# Altium PCB PCB_ESP_R8_POE_3C v2_2023-10-08.pcbdoc (part 1 of 3)
Units mm, origin at the board's own origin, x right, y up, seen from the top; angles counter-clockwise.
Board outline 188.8 x 138.86 mm, 2 copper layers (Top Layer, Bottom Layer); 275 components, 213 nets, 829 pads, 1172 vias.
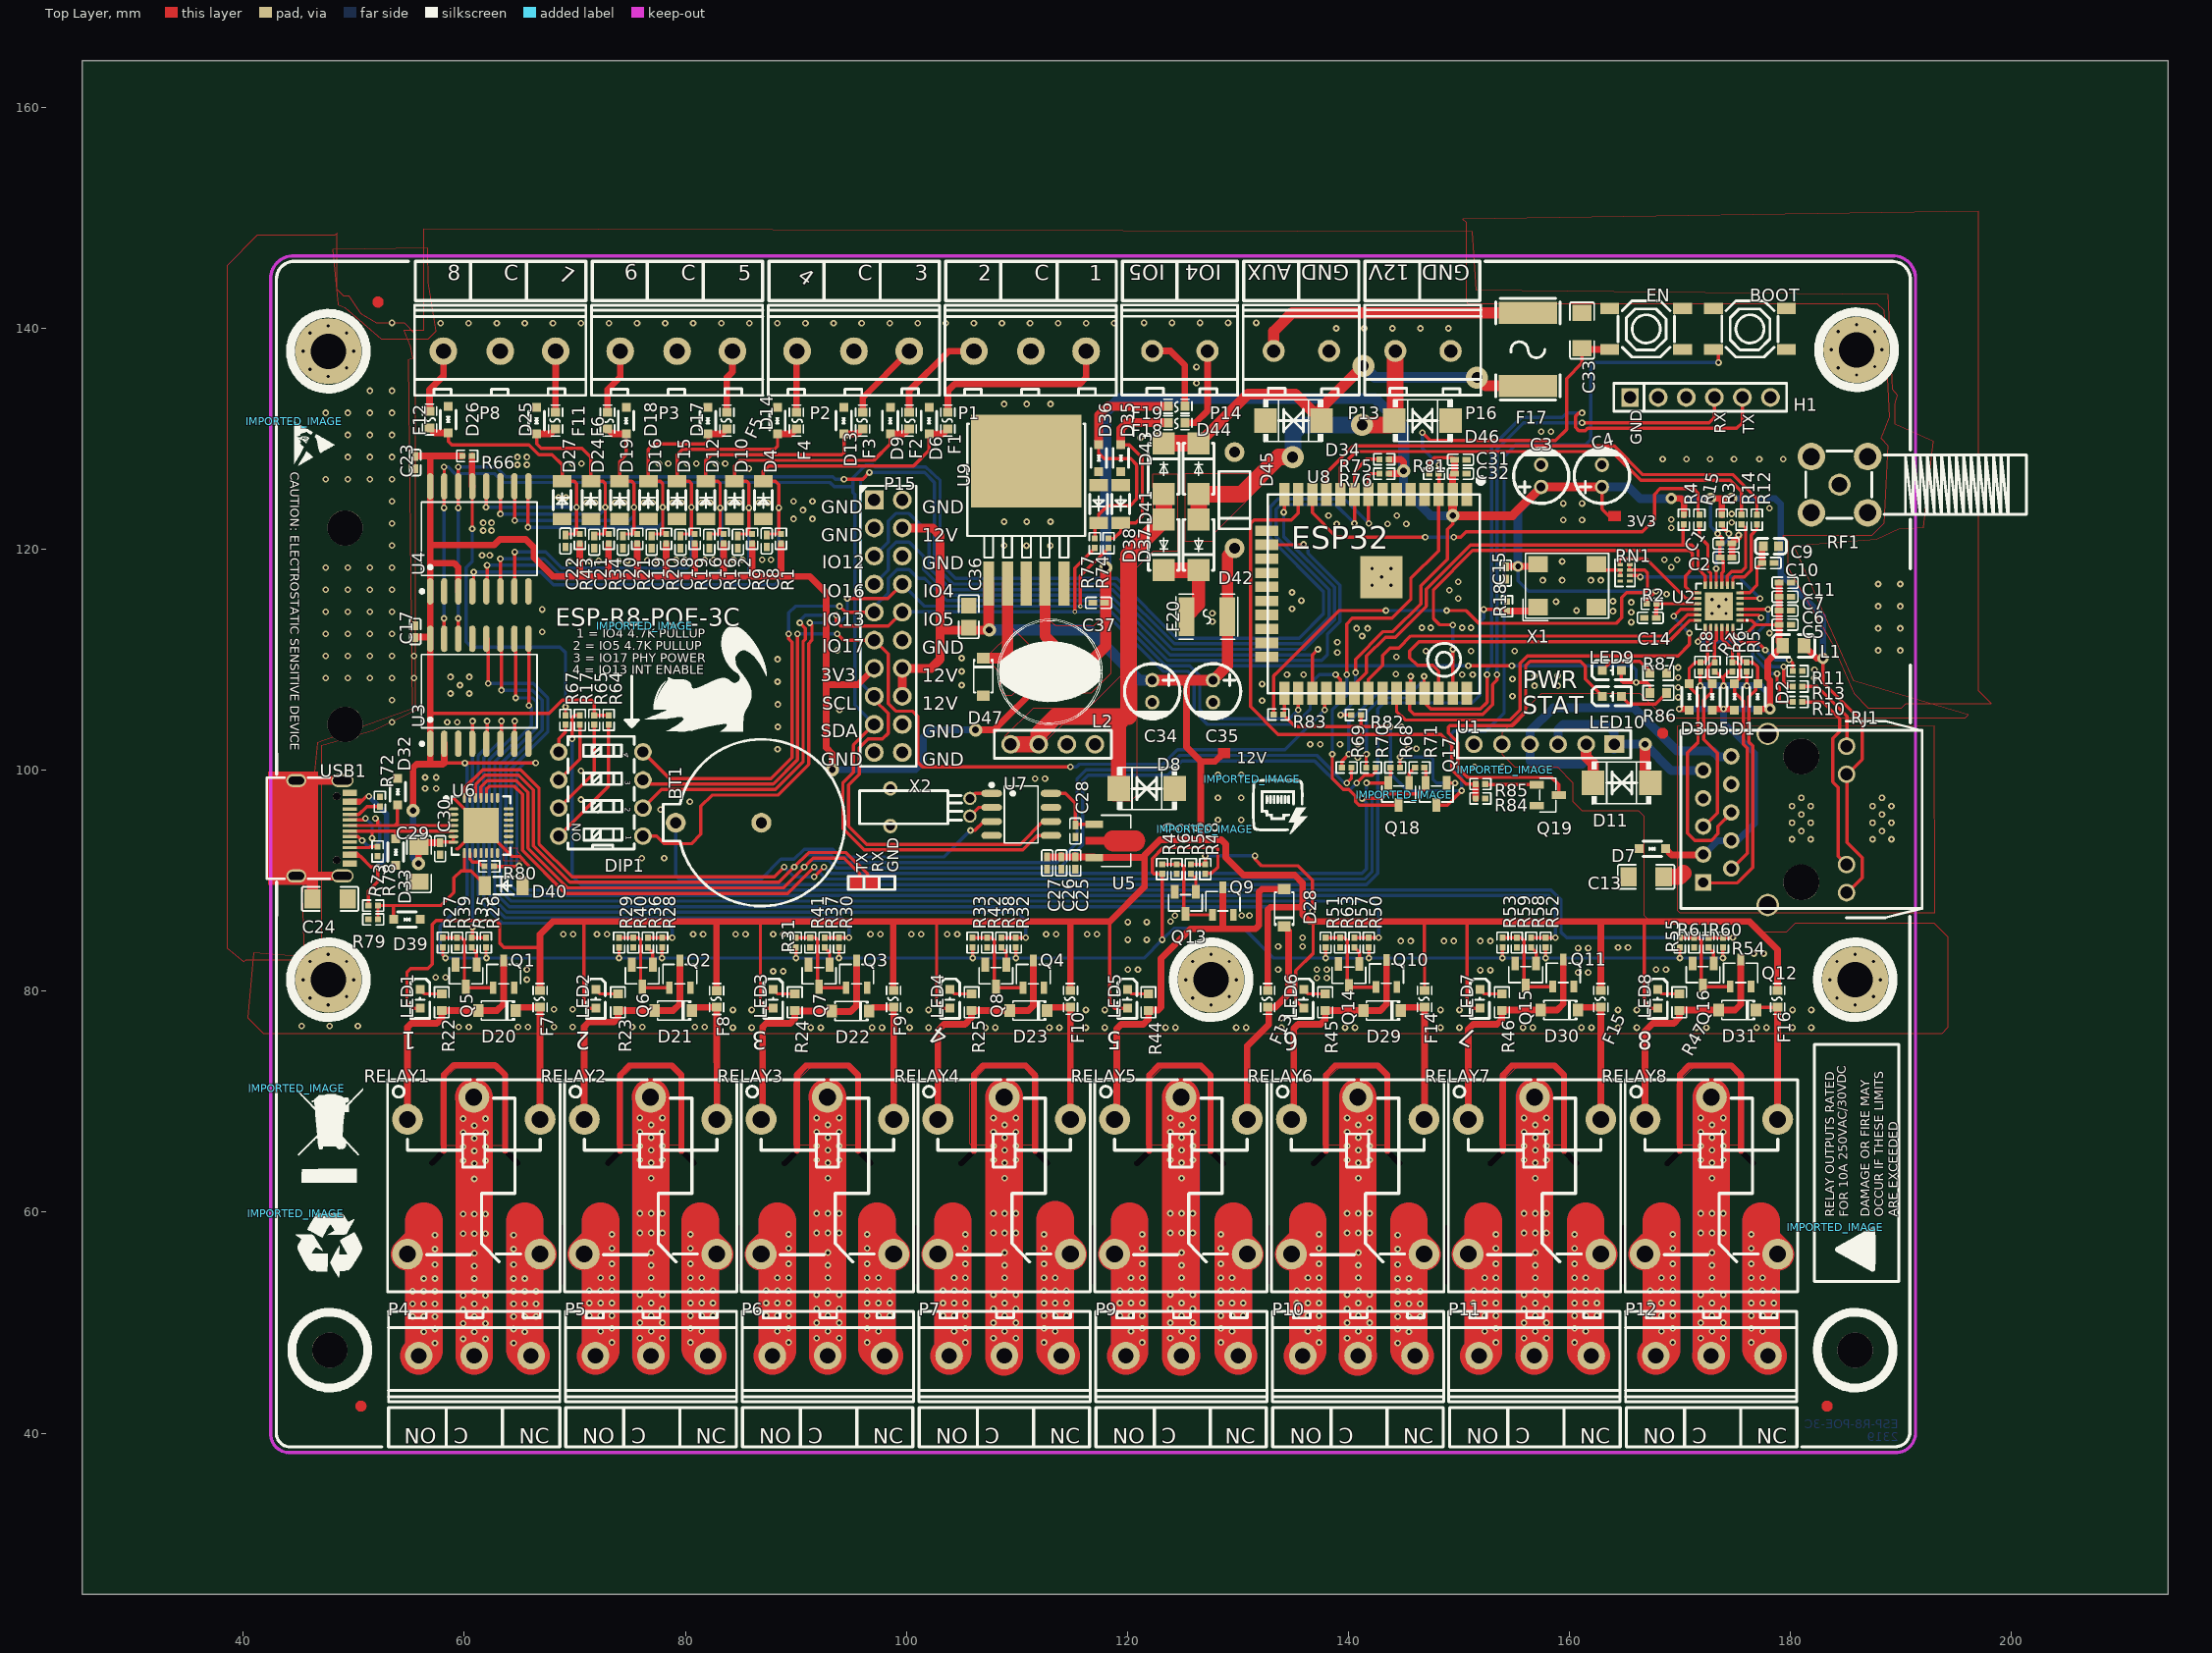
[diagram p0: Top Layer view]
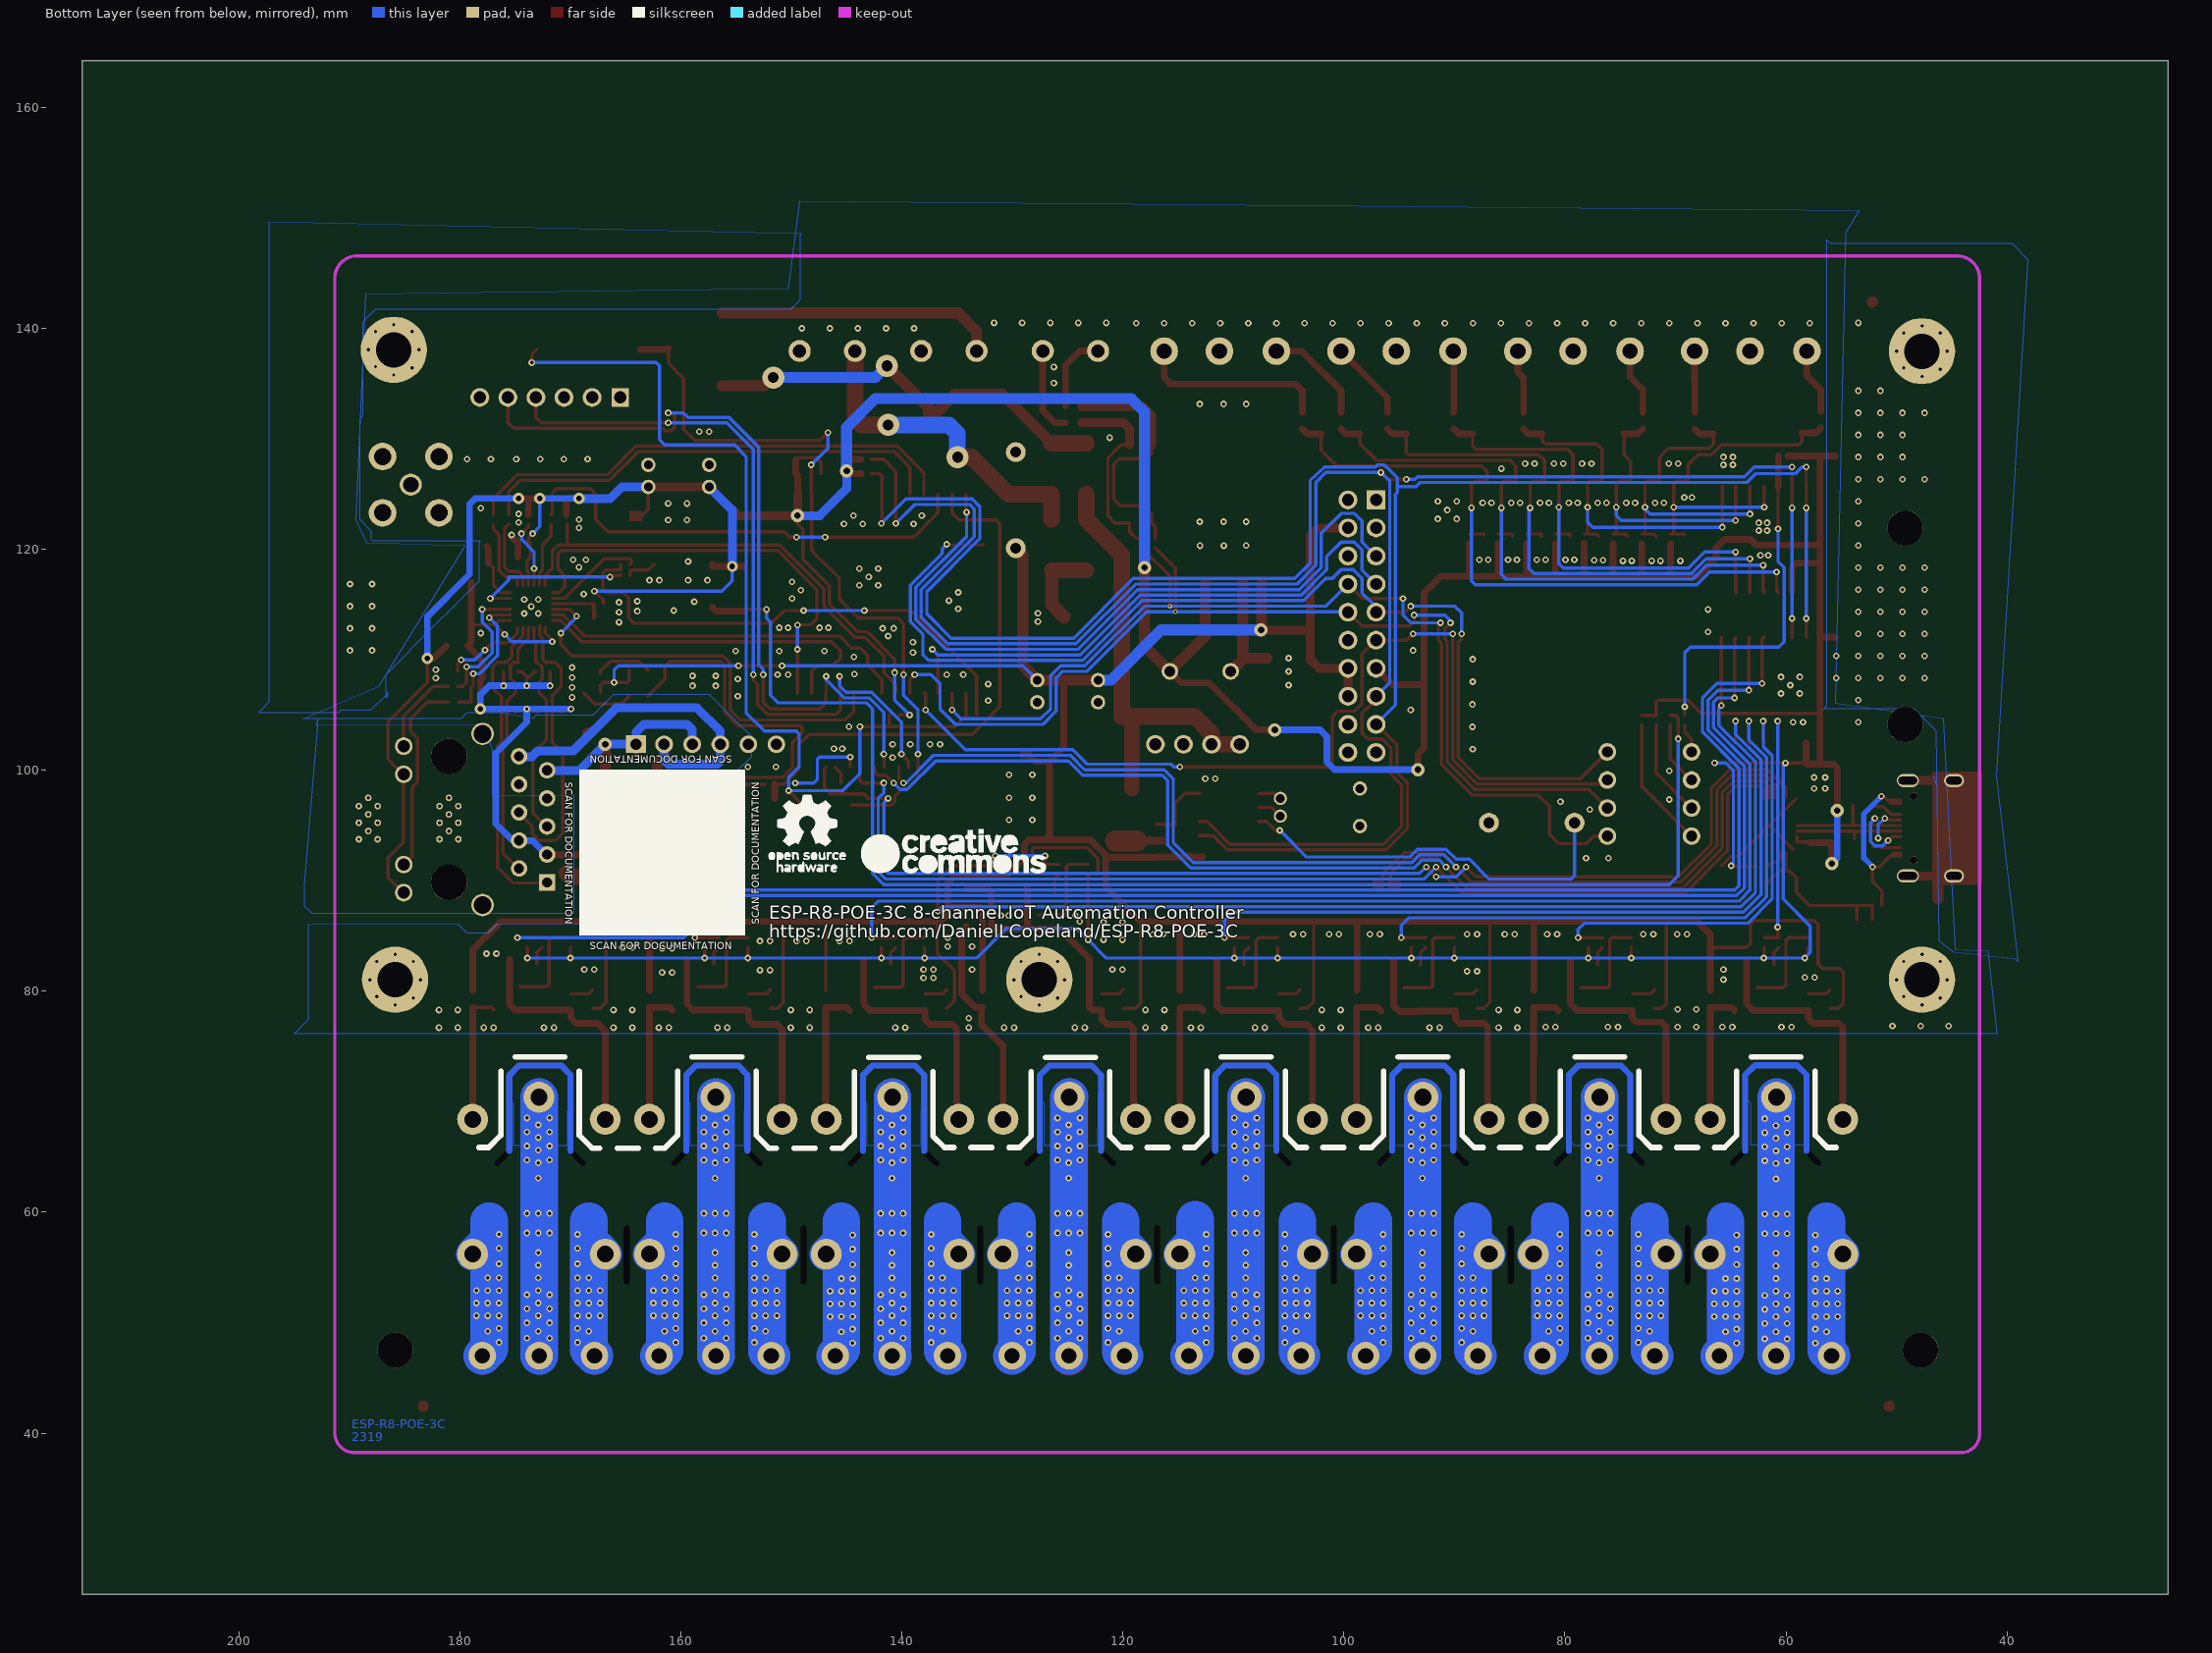
[diagram p1: Bottom Layer view, seen from below]

## Layer stack, top to bottom
Top Layer: signal copper (thickness not stored)
Dielectric: dielectric 0.32, FR-4, Dk 4.8
Bottom Layer: signal copper (thickness not stored)

## Board outline
214.198,25.4 25.4,25.4 25.4,164.261 214.198,164.261
cut-out: 117.157,58.57 117.157,53.744 cw(c116.907,53.744) 116.657,53.744 116.657,58.57 cw(c116.907,58.57) 117.157,58.57
cut-out: 101.155,58.57 101.155,53.744 cw(c100.905,53.744) 100.655,53.744 100.655,58.57 cw(c100.905,58.57) 101.155,58.57
cut-out: 85.153,58.57 85.153,53.744 cw(c84.903,53.744) 84.653,53.744 84.653,58.57 cw(c84.903,58.57) 85.153,58.57
cut-out: 69.151,58.57 69.151,53.744 cw(c68.901,53.744) 68.651,53.744 68.651,58.57 cw(c68.901,58.57) 69.151,58.57
cut-out: 133.159,58.57 133.159,53.744 cw(c132.909,53.744) 132.659,53.744 132.659,58.57 cw(c132.909,58.57) 133.159,58.57
cut-out: 149.161,58.57 149.161,53.744 cw(c148.911,53.744) 148.661,53.744 148.661,58.57 cw(c148.911,58.57) 149.161,58.57
cut-out: 165.159,58.57 165.159,53.744 cw(c164.909,53.744) 164.659,53.744 164.659,58.57 cw(c164.909,58.57) 165.159,58.57
cut-out: 56.9,64.661 58,65.763 cw(c58.177,65.587) 58.354,65.41 57.254,64.308 cw(c57.077,64.484) 56.9,64.661
cut-out: 63.875,65.738 64.978,64.638 cw(c64.801,64.461) 64.625,64.284 63.522,65.384 cw(c63.699,65.561) 63.875,65.738
cut-out: 72.822,64.636 73.922,65.738 cw(c74.099,65.561) 74.276,65.385 73.176,64.282 cw(c72.999,64.459) 72.822,64.636
cut-out: 79.826,65.737 80.928,64.637 cw(c80.752,64.46) 80.575,64.283 79.473,65.383 cw(c79.649,65.56) 79.826,65.737
cut-out: 88.8,64.611 89.9,65.713 cw(c90.075,65.535) 90.254,65.36 89.154,64.258 cw(c88.977,64.434) 88.8,64.611
cut-out: 104.8,64.611 105.9,65.713 cw(c106.077,65.537) 106.254,65.36 105.154,64.258 cw(c104.977,64.434) 104.8,64.611
cut-out: 120.7,64.611 121.8,65.713 cw(c121.977,65.536) 122.154,65.36 121.054,64.257 cw(c120.877,64.434) 120.7,64.611
cut-out: 136.7,64.611 137.8,65.713 cw(c137.977,65.537) 138.154,65.36 137.054,64.258 cw(c136.877,64.434) 136.7,64.611
cut-out: 152.7,64.611 153.8,65.713 cw(c153.977,65.537) 154.154,65.36 153.054,64.258 cw(c152.877,64.434) 152.7,64.611
cut-out: 168.7,64.611 169.8,65.713 cw(c169.977,65.537) 170.154,65.36 169.054,64.258 cw(c168.877,64.434) 168.7,64.611
cut-out: 95.825,65.738 96.927,64.638 cw(c96.751,64.461) 96.574,64.284 95.472,65.384 cw(c95.649,65.561) 95.825,65.738
cut-out: 111.825,65.738 112.928,64.638 cw(c112.751,64.461) 112.574,64.284 111.472,65.384 cw(c111.649,65.561) 111.825,65.738
cut-out: 127.724,65.689 128.827,64.589 cw(c128.649,64.413) 128.474,64.235 127.371,65.335 cw(c127.548,65.512) 127.724,65.689
cut-out: 143.7,65.711 144.802,64.611 cw(c144.626,64.434) 144.449,64.257 143.347,65.357 cw(c143.523,65.534) 143.7,65.711
cut-out: 159.7,65.711 160.802,64.611 cw(c160.626,64.434) 160.449,64.257 159.347,65.357 cw(c159.525,65.532) 159.7,65.711
cut-out: 175.7,65.711 176.802,64.611 cw(c176.625,64.434) 176.449,64.257 175.347,65.357 cw(c175.525,65.532) 175.7,65.711

## Components (designator, comment, footprint, x,y, rotation, side; value= is the part's Value field where it differs from the comment)
BOOT "TS-1187A-B-A-B" SW-SMD_4P-L5.1-W5.1-P3.70-LS6.5-TL-2 176.35,139.961 r0 top
BT1 "BS-12-A1AJ002-F" BAT-TH_BS-12-A1AJ002-F 83,95.261 r90 top
C1 "100nF" C0402_NEW 174.18,120.546 r0 top
C2 "10nF" C0402 174.18,119.276 r0 top
C3 "22uF" CAP-TH_BD5.0-P2.00-D0.8-FD 157.45,126.66 r90 top
C4 "22uF" CAP-TH_BD5.0-P2.00-D0.8-FD 162.949,126.66 r90 top
C5 "10nF" C0402 179.514,113.18 r0 top
C6 "22nF" C0402 179.514,114.45 r0 top
C7 "10nF" C0402 179.514,115.72 r0 top
C8 "10nF" C0402 87.35,120.762 r270 top
C9 "1uF" C0603 178.244,120.292 r0 top
C10 "330pF" C0402 177.99,118.768 r0 top
C11 "10nF" C0402 179.514,116.99 r0 top
C12 "10nF" C0402 84.749,120.66 r270 top
C13 "1nF" C1206 166.95,90.361 r180 top
C14 "100nF" C0402_NEW 167.322,113.815 r180 top
C15 "100nF" C0402_NEW 154.249,117.861 r270 top
C16 "10nF" C0402 82.151,120.66 r270 top
C17 "100nF" C0402_NEW 55.549,112.56 r90 top
C18 "10nF" C0402 79.55,120.661 r270 top
C19 "10nF" C0402 76.949,120.66 r270 top
C20 "10nF" C0402 74.35,120.66 r270 top
C21 "10nF" C0402 71.749,120.66 r270 top
C22 "10nF" C0402 69.151,120.762 r270 top
C23 "100nF" C0402_NEW 55.549,127.861 r270 top
C24 "1nF" C1206 47.85,88.361 r0 top
C25 "100nF" C0402_NEW 115.29,91.61 r270 top
C26 "100nF" C0402_NEW 114.02,91.61 r270 top
C27 "100nF" C0402_NEW 112.75,91.61 r270 top
C28 "100nF" C0402_NEW 115.3,94.511 r270 top
C29 "4.7uF" C1206 55.9,91.511 r90 top
C30 "100nF" C0402_NEW 57.8,92.911 r270 top
C31 "100nF" C0402_NEW 150.149,128.11 r0 top
C32 "10nF" C0402 150.149,126.86 r0 top
C33 "4.7uF" C1206 161.15,139.812 r270 top
C34 "22uF" CAP-TH_BD5.0-P2.00-D0.8-FD 122.251,107.16 r270 top
C35 "22uF" CAP-TH_BD5.0-P2.00-D0.8-FD 127.75,107.16 r270 top
C36 "10nF" C0805 105.651,113.912 r90 top
C37 "100nF" C0402_NEW 117.401,115.161 r180 top
D1 "PESD03V32D-LC" SOD-323_L1.7-W1.3-LS2.5-BI 174.949,106.662 r270 top
D2 "PESD03V32D-LC" SOD-323_L1.7-W1.3-LS2.5-BI 177.05,106.662 r90 top
D3 "PESD03V32D-LC" SOD-323_L1.7-W1.3-LS2.5-BI 170.85,106.662 r270 top
D4 "ZMM3V3" LL-34_L3.5-W1.5-RD 87.05,124.46 r270 top
D5 "PESD03V32D-LC" SOD-323_L1.7-W1.3-LS2.5-BI 172.95,106.66 r90 top
D6 "PESD03V32D-LC" SOD-323_L1.7-W1.3-LS2.5-BI 102.051,131.661 r90 top
D7 "PESD03V32D-LC" SOD-323_L1.7-W1.3-LS2.5-BI 167.499,92.911 r180 top
D8 "SMBJ14CA_C397712" SMB_L4.4-W3.6-LS5.4-BI 121.75,98.361 r0 top
D9 "PESD03V32D-LC" SOD-323_L1.7-W1.3-LS2.5-BI 98.551,131.661 r90 top
D10 "ZMM3V3" LL-34_L3.5-W1.5-RD 84.449,124.46 r270 top
D11 "SMBJ64CA" SMB_L4.6-W3.6-LS5.3-BI 164.749,98.862 r180 top
D12 "ZMM3V3" LL-34_L3.5-W1.5-RD 81.851,124.46 r270 top
D13 "PESD03V32D-LC" SOD-323_L1.7-W1.3-LS2.5-BI 94.35,131.661 r90 top
D14 "PESD03V32D-LC" SOD-323_L1.7-W1.3-LS2.5-BI 88.35,131.661 r90 top
D15 "ZMM3V3" LL-34_L3.5-W1.5-RD 79.25,124.46 r270 top
D16 "ZMM3V3" LL-34_L3.5-W1.5-RD 76.649,124.46 r270 top
D17 "PESD03V32D-LC" SOD-323_L1.7-W1.3-LS2.5-BI 82.051,131.661 r90 top
D18 "PESD03V32D-LC" SOD-323_L1.7-W1.3-LS2.5-BI 74.65,131.661 r90 top
D19 "ZMM3V3" LL-34_L3.5-W1.5-RD 74.051,124.46 r270 top
D20 "B5819W_C8598" SOD-123_L2.8-W1.8-LS3.7-RD 62.95,78.261 r180 top
D21 "B5819W_C8598" SOD-123_L2.8-W1.8-LS3.7-RD 78.9,78.261 r180 top
D22 "B5819W_C8598" SOD-123_L2.8-W1.8-LS3.7-RD 94.95,78.211 r180 top
D23 "B5819W_C8598" SOD-123_L2.8-W1.8-LS3.7-RD 111.05,78.261 r180 top
D24 "ZMM3V3" LL-34_L3.5-W1.5-RD 71.45,124.46 r270 top
D25 "PESD03V32D-LC" SOD-323_L1.7-W1.3-LS2.5-BI 66.549,131.661 r90 top
D26 "PESD03V32D-LC" SOD-323_L1.7-W1.3-LS2.5-BI 58.551,131.76 r90 top
D27 "ZMM3V3" LL-34_L3.5-W1.5-RD 68.849,124.46 r270 top
D28 "B5819W_C8598" SOD-123_L2.8-W1.8-LS3.7-RD 134.2,87.561 r90 top
D29 "B5819W_C8598" SOD-123_L2.8-W1.8-LS3.7-RD 143.05,78.261 r180 top
D30 "B5819W_C8598" SOD-123_L2.8-W1.8-LS3.7-RD 159.1,78.311 r180 top
D31 "B5819W_C8598" SOD-123_L2.8-W1.8-LS3.7-RD 175.2,78.311 r180 top
D32 "PESD03V32D-LC" SOD-323_L1.7-W1.3-LS2.5-BI 53.95,98.061 r270 top
D33 "PESD03V32D-LC" SOD-323_L1.7-W1.3-LS2.5-BI 53.8,92.611 r90 top
D34 "SMBJ14CA_C397712" SMB_L4.4-W3.6-LS5.4-BI 135.049,131.661 r180 top
D35 "PESD03V32D-LC" SOD-323_L1.7-W1.3-LS2.5-BI 119.399,128.26 r270 top
D36 "PESD03V32D-LC" SOD-323_L1.7-W1.3-LS2.5-BI 117.4,128.26 r270 top
D37 "ZMM3V3" LL-34_L3.5-W1.5-RD 119.4,124.11 r90 top
D38 "ZMM3V3" LL-34_L3.5-W1.5-RD 117.401,124.11 r90 top
D39 "PESD03V32D-LC" SOD-323_L1.7-W1.3-LS2.5-BI 54.8,86.511 r180 top
D40 "ZMM3V3" LL-34_L3.5-W1.5-RD 63.55,89.561 r0 top
D41 "SS34_C8678" DO-214AC_L4.3-W2.7-LS5.3-RD 123.3,120.411 r90 top
D42 "SS34_C8678" DO-214AC_L4.3-W2.7-LS5.3-RD 126.45,120.411 r90 top
D43 "SS34_C8678" DO-214AC_L4.3-W2.7-LS5.3-RD 123.3,127.31 r270 top
D44 "SS34_C8678" DO-214AC_L4.3-W2.7-LS5.3-RD 126.45,127.31 r270 top
D45 "2EZ13D5_C388131" DO-41_BD2.4-L4.7-P8.70-D0.9-RD 129.699,124.46 r90 top
D46 "SMBJ14CA_C397712" SMB_L4.4-W3.6-LS5.4-BI 146.7,131.661 r0 top
D47 "B5819W_C8598" SOD-123_L2.8-W1.8-LS3.7-RD 106.949,108.461 r270 top
DIP1 "DSIC04LHGET" SW-TH_DSIC04LHGET 72.35,97.861 r90 top
EN "TS-1187A-B-A-B" SW-SMD_4P-L5.1-W5.1-P3.70-LS6.5-TL-2 166.95,139.961 r0 top
F1 "BSMD0603-002-60V" F0603 103.75,131.661 r270 top
F2 "BSMD0603-002-60V" F0603 100.25,131.661 r90 top
F3 "BSMD0603-002-60V" F0603 96.05,131.661 r270 top
F4 "BSMD0603-002-60V" F0603 90.05,131.661 r90 top
F5 "BSMD0603-002-60V" F0603 83.751,131.661 r270 top
F6 "BSMD0603-002-60V" F0603 72.951,131.661 r90 top
F7 "BSMD0603-025-16V" F0603 66.85,79.311 r270 top
F8 "BSMD0603-025-16V" F0603 82.832,79.307 r270 top
F9 "BSMD0603-025-16V" F0603 98.85,79.311 r270 top
F10 "BSMD0603-025-16V" F0603 114.85,79.311 r270 top
F11 "BSMD0603-002-60V" F0603 68.249,131.661 r270 top
F12 "BSMD0603-002-60V" F0603 56.85,131.76 r90 top
F13 "BSMD0603-025-16V" F0603 132.7,79.311 r270 top
F14 "BSMD0603-025-16V" F0603 146.9,79.311 r270 top
F15 "BSMD0603-025-16V" F0603 162.85,79.311 r270 top
F16 "BSMD0603-025-16V" F0603 178.85,79.311 r270 top
F17 "ASMD2920-075" F2920 156.25,138.111 r270 top
F18 "BSMD0603-002-60V" F0603 124.449,131.46 r0 top
F19 "BSMD0603-002-60V" F0603 124.449,132.962 r0 top
F20 "SMD1812P150TF/24" F1812 127.2,113.911 r0 top
H1 "PZ254-1-06-Z-8.5" HDR-TH_06P-P2.54-V-M 171.85,133.761 r0 top
IMPORTED_IMAGE "IMPORTED_IMAGE" IMPORTED_IMAGE 145.074,97.783 r0 top
IMPORTED_IMAGE "IMPORTED_IMAGE" IMPORTED_IMAGE 154.2,100.061 r0 top
IMPORTED_IMAGE "IMPORTED_IMAGE" IMPORTED_IMAGE 127.013,94.675 r0 top
IMPORTED_IMAGE "IMPORTED_IMAGE" IMPORTED_IMAGE 131.3,99.211 r0 top
IMPORTED_IMAGE "IMPORTED_IMAGE" IMPORTED_IMAGE 44.815,71.208 r0 top
IMPORTED_IMAGE "IMPORTED_IMAGE" IMPORTED_IMAGE 44.736,59.891 r0 top
IMPORTED_IMAGE "IMPORTED_IMAGE" IMPORTED_IMAGE 44.588,131.574 r0 top
IMPORTED_IMAGE "IMPORTED_IMAGE" IMPORTED_IMAGE 184.078,58.635 r0 top
IMPORTED_IMAGE "IMPORTED_IMAGE" IMPORTED_IMAGE 76.339,113.079 r0 top
L1 "30R" L0805 180.277,111.274 r180 top
L2 "33uH" IND-TH_BD9.0-P3.50-D0.6_VL0810 113,108.961 r0 top
LED1 "0603White light_C2290" LED0603-R-RD_WHITE 56,79.311 r270 top
LED2 "0603White light_C2290" LED0603-R-RD_WHITE 71.9,79.311 r270 top
LED3 "0603White light_C2290" LED0603-R-RD_WHITE 87.95,79.311 r270 top
LED4 "0603White light_C2290" LED0603-R-RD_WHITE 103.95,79.311 r270 top
LED5 "0603White light_C2290" LED0603-R-RD_WHITE 120,79.311 r270 top
LED6 "0603White light_C2290" LED0603-R-RD_WHITE 135.95,79.311 r270 top
LED7 "0603White light_C2290" LED0603-R-RD_WHITE 151.9,79.311 r270 top
LED8 "0603White light_C2290" LED0603-R-RD_WHITE 168,79.311 r270 top
LED9 "0603White light_C2290" LED0603-R-RD_WHITE 163.85,109.061 r0 top
LED10 "0603White light_C2290" LED0603-R-RD_WHITE 163.85,106.711 r0 top
P1 "WJ127-5.0-3P" CONN-TH_3P-P5.00_WJ127-5.0-3P 111.188,137.945 r180 top
P2 "WJ127-5.0-3P" CONN-TH_3P-P5.00_WJ127-5.0-3P 95.186,137.945 r180 top
P3 "WJ127-5.0-3P" CONN-TH_3P-P5.00_WJ127-5.0-3P 79.184,137.945 r180 top
P4 "WJ127-5.0-3P" CONN-TH_3P-P5.00_WJ127-5.0-3P 60.95,47.011 r0 top
P5 "WJ127-5.0-3P" CONN-TH_3P-P5.00_WJ127-5.0-3P 76.95,47.011 r0 top
P6 "WJ127-5.0-3P" CONN-TH_3P-P5.00_WJ127-5.0-3P 92.95,47.011 r0 top
P7 "WJ127-5.0-3P" CONN-TH_3P-P5.00_WJ127-5.0-3P 108.95,47.011 r0 top
P8 "WJ127-5.0-3P" CONN-TH_3P-P5.00_WJ127-5.0-3P 63.182,137.945 r180 top
P9 "WJ127-5.0-3P" CONN-TH_3P-P5.00_WJ127-5.0-3P 124.95,47.011 r0 top
P10 "WJ127-5.0-3P" CONN-TH_3P-P5.00_WJ127-5.0-3P 140.95,47.011 r0 top
P11 "WJ127-5.0-3P" CONN-TH_3P-P5.00_WJ127-5.0-3P 156.9,47.011 r0 top
P12 "WJ127-5.0-3P" CONN-TH_3P-P5.00_WJ127-5.0-3P 172.9,47.011 r0 top
P13 "WJ127-5.0-2P" CONN-TH_2P-P5.00_CPC3703CTR 135.75,137.96 r180 top
P14 "WJ127-5.0-2P" CONN-TH_2P-P5.00_CPC3703CTR 124.749,137.96 r180 top
P15 "Header-Female-2.54_2x10" HDR-TH_20P-P2.54-V-R2-C10-S2.54 98.361,113.053 r270 top
P16 "WJ127-5.0-2P" CONN-TH_2P-P5.00_CPC3703CTR 146.75,137.961 r180 top
Q1 "AO3400A" SOT-23-3_L2.9-W1.6-P1.90-LS2.8-BR 63.55,81.561 r270 top
Q2 "AO3400A" SOT-23-3_L2.9-W1.6-P1.90-LS2.8-BR 79.5,81.561 r270 top
Q3 "AO3400A" SOT-23-3_L2.9-W1.6-P1.90-LS2.8-BR 95.5,81.561 r270 top
Q4 "AO3400A" SOT-23-3_L2.9-W1.6-P1.90-LS2.8-BR 111.5,81.561 r270 top
Q5 "2N3904" SOT-23-3_L2.9-W1.3-P1.90-LS2.4-BR 60.15,81.411 r90 top
Q6 "2N3904" SOT-23-3_L2.9-W1.3-P1.90-LS2.4-BR 76.1,81.411 r90 top
Q7 "2N3904" SOT-23-3_L2.9-W1.3-P1.90-LS2.4-BR 92.1,81.411 r90 top
Q8 "2N3904" SOT-23-3_L2.9-W1.3-P1.90-LS2.4-BR 108.1,81.411 r90 top
Q9 "AO3400A" SOT-23-3_L2.9-W1.6-P1.90-LS2.8-BR 128.65,88.161 r270 top
Q10 "AO3400A" SOT-23-3_L2.9-W1.6-P1.90-LS2.8-BR 143.45,81.611 r270 top
Q11 "AO3400A" SOT-23-3_L2.9-W1.6-P1.90-LS2.8-BR 159.45,81.661 r270 top
Q12 "AO3400A" SOT-23-3_L2.9-W1.6-P1.90-LS2.8-BR 175.5,81.661 r270 top
Q13 "2N3904" SOT-23-3_L2.9-W1.3-P1.90-LS2.4-BR 125.25,88.011 r90 top
Q14 "2N3904" SOT-23-3_L2.9-W1.3-P1.90-LS2.4-BR 140.05,81.461 r90 top
Q15 "2N3904" SOT-23-3_L2.9-W1.3-P1.90-LS2.4-BR 156.05,81.511 r90 top
Q16 "2N3904" SOT-23-3_L2.9-W1.3-P1.90-LS2.4-BR 172.1,81.511 r90 top
Q17 "MMBT2222A_C8512" SOT-23-3_L2.9-W1.3-P1.90-LS2.4-BR 147.949,97.861 r90 top
Q18 "MMBT2222A_C8512" SOT-23-3_L2.9-W1.3-P1.90-LS2.4-BR 144.551,97.861 r90 top
Q19 "2N7002" SOT-23-3_L2.9-W1.3-P1.90-LS2.4-BR 158.051,97.76 r180 top
R1 "100K" R0402 88.651,120.96 r90 top
R2 "4.7K" R0402 167.449,115.085 r0 top
R3 "10" R0402 173.799,122.705 r270 top
R4 "1.5K" R0402 170.37,122.705 r270 top
R5 "49.9" R0402 176.049,109.36 r90 top
R6 "49.9" R0402 174.749,109.36 r90 top
R7 "49.9" R0402 173.149,109.36 r90 top
R8 "49.9" R0402 171.851,109.36 r90 top
R9 "100K" R0402 86.05,120.96 r90 top
R10 "330" R0402 180.657,106.195 r180 top
R11 "12.1K" R0402 180.657,108.989 r0 top
R12 "10" R0402 176.974,122.705 r270 top
R13 "330" R0402 180.657,107.592 r180 top
R14 "10" R0402 175.577,122.705 r270 top
R15 "10" R0402 171.767,122.705 r270 top
R16 "100K" R0402 83.451,120.96 r90 top
R17 "470" R0402 70.45,104.561 r90 top
R18 "10K" R0402 154.35,114.861 r90 top
R19 "100K" R0402 80.85,120.96 r90 top
R20 "100K" R0402 78.249,120.96 r90 top
R21 "100K" R0402 75.651,120.96 r90 top
R22 "2.2kΩ" R0603 57.95,79.011 r270 top
R23 "2.2kΩ" R0603 73.9,79.011 r270 top
R24 "2.2kΩ" R0603 89.9,79.011 r270 top
R25 "2.2kΩ" R0603 105.9,79.011 r270 top
R26 "2.2kΩ" R0402 61.95,84.411 r90 top
R27 "4.7K" R0402 58.05,84.411 r90 top
R28 "2.2kΩ" R0402 77.9,84.411 r90 top
R29 "4.7K" R0402 74,84.411 r90 top
R30 "2.2kΩ" R0402 93.9,84.411 r90 top
R31 "4.7K" R0402 90,84.411 r90 top
R32 "2.2kΩ" R0402 109.9,84.411 r90 top
R33 "4.7K" R0402 106,84.411 r90 top
R34 "100K" R0402 73.05,120.96 r90 top
R35 "510Ω" R0402 60.65,84.411 r90 top
R36 "510Ω" R0402 76.6,84.411 r90 top
R37 "510Ω" R0402 92.6,84.411 r90 top
R38 "510Ω" R0402 108.6,84.411 r90 top
R39 "100K" R0402 59.35,84.411 r270 top
R40 "100K" R0402 75.3,84.411 r270 top
R41 "100K" R0402 91.3,84.411 r270 top
R42 "100K" R0402 107.3,84.411 r270 top
R43 "100K" R0402 70.449,120.96 r90 top
R44 "2.2kΩ" R0603 121.9,79.011 r270 top
R45 "2.2kΩ" R0603 137.9,79.011 r270 top
R46 "2.2kΩ" R0603 153.9,79.011 r270 top
R47 "2.2kΩ" R0603 169.95,79.011 r270 top
R48 "2.2kΩ" R0402 127.05,91.061 r90 top
R49 "4.7K" R0402 123.15,91.061 r90 top
R50 "2.2kΩ" R0402 141.85,84.411 r90 top
R51 "4.7K" R0402 137.95,84.411 r90 top
R52 "2.2kΩ" R0402 157.85,84.411 r90 top
R53 "4.7K" R0402 153.95,84.411 r90 top
R54 "2.2kΩ" R0402 173.9,84.411 r90 top
R55 "4.7K" R0402 170,84.411 r90 top
R56 "510Ω" R0402 125.75,91.061 r90 top
R57 "510Ω" R0402 140.55,84.411 r90 top
R58 "510Ω" R0402 156.55,84.411 r90 top
R59 "100K" R0402 155.25,84.411 r270 top
R60 "510Ω" R0402 172.6,84.411 r90 top
R61 "100K" R0402 171.3,84.411 r270 top
R62 "100K" R0402 124.45,91.061 r270 top
R63 "100K" R0402 139.25,84.411 r270 top
R64 "4.7K" R0402 73.05,104.562 r270 top
R65 "4.7K" R0402 71.749,104.562 r270 top
R66 "4.7K" R0402 60.251,128.461 r0 top
R67 "470" R0402 69.151,104.562 r90 top
R68 "10K" R0402 144.249,100.262 r180 top
R69 "680Ω" R0402 139.849,100.262 r0 top
R70 "680Ω" R0402 142.049,100.262 r0 top
R71 "10K" R0402 146.451,100.262 r0 top
R72 "5.1K" R0402 52.35,97.161 r90 top
R73 "5.1K" R0402 52.15,92.661 r270 top
R74 "470" R0402 118.3,120.561 r90 top
R75 "4.7K" R0402 143.25,128.161 r180 top
R76 "4.7K" R0402 143.25,126.86 r180 top
R77 "470" R0402 117.05,120.561 r90 top
R78 "24kΩ" R0402 51.75,87.761 r0 top
R79 "49.9kΩ" R0402 51.75,86.511 r180 top
R80 "2kΩ" R0402 62.25,91.311 r0 top
R81 "12.1K" R0402 147.749,126.86 r0 top